# Allegro board KIT_PSE84_AI_PSOC_Edge_E84_AI_Board_Layout.brd (continued)
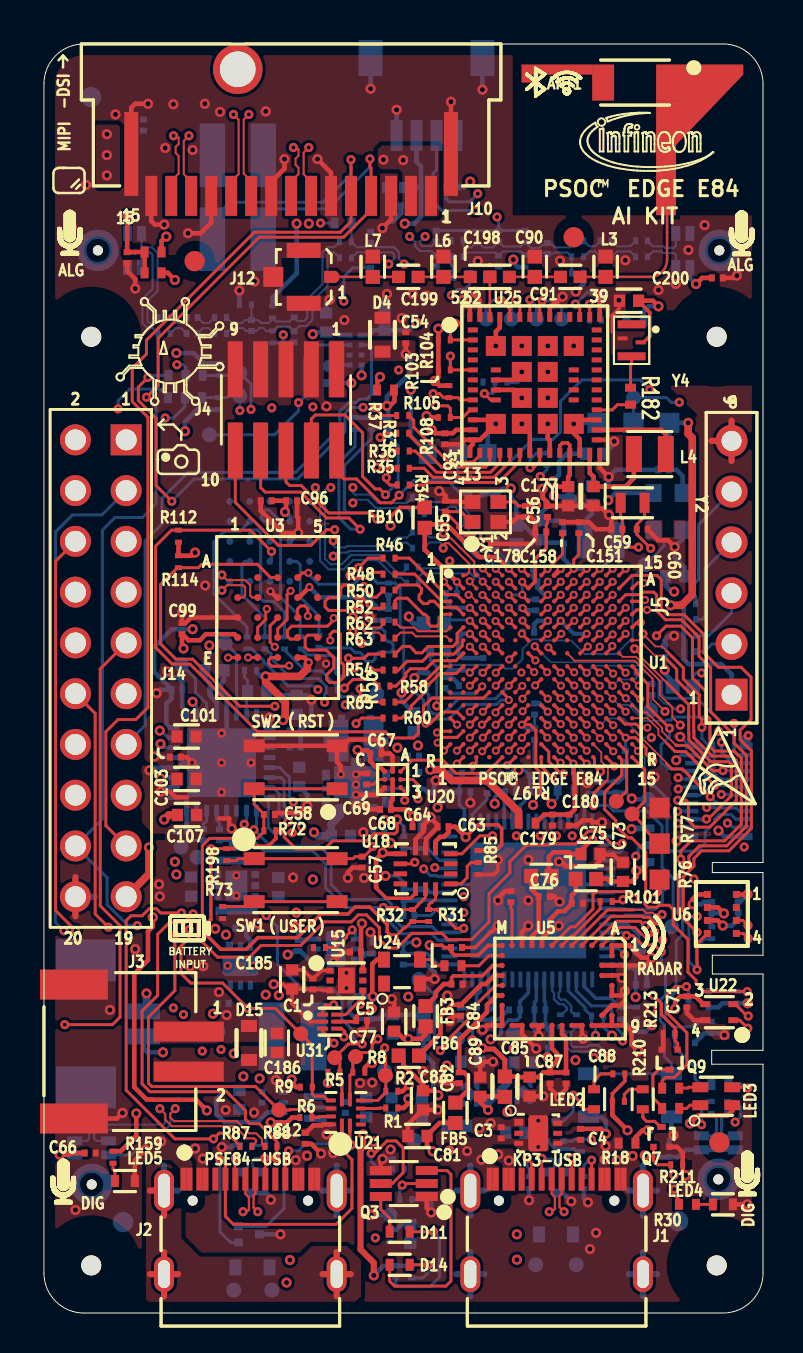
[diagram p0: board, top side]
## Copper pours and planes (outline as drawn; the poured copper is in the pictures) (continued)
(no net) on TOP: 0.56,61.5 0.98,62.52 2,62.94 33.99,62.94 35.01,62.52 35.44,61.5 35.44,50.17 30.45,50.17 30.45,47.07 30.22,47.2 30.13,47.45 30.16,47.61 30.27,47.75 30.31,47.82 30.28,47.89 30.22,48.01 30.2,48.17 30.2,48.21 30.18,48.29 30.1,48.33 29.93,48.33 29.9,48.32 29.86,48.27 29.9,48.22 29.98,48.16 30.02,48.07 30.02,47.67 29.97,47.56 29.86,47.51 29.83,47.51 29.74,47.46 29.74,47.36 29.76,47.32 29.77,47.27 29.77,46.27 29.73,46.18 29.65,46.12 29.61,46.11 29.61,45.63 29.65,45.62 29.73,45.57 29.77,45.47 29.77,44.46 30.9,44.46 31,44.43 31.09,44.38 31.32,44.15 31.35,44.11 31.38,44.06 31.39,44.03 31.53,44.03 31.64,43.99 31.68,43.88 31.68,42.08 31.64,41.97 31.53,41.92 30.73,41.92 30.65,41.94 30.59,42 30.58,42.03 30.08,42.03 30.06,42 30.01,41.94 29.93,41.92 29.8,41.92 29.8,41.77 29.78,41.67 29.72,41.58 29.32,41.19 29.28,41.15 29.26,41.13 29.26,41.09 29.27,41.07 29.27,41.04 29.27,40.04 29.25,39.97 29.2,39.91 29.18,39.9 29.18,39.53 29.2,39.52 29.24,39.46 29.26,39.39 29.26,39.04 29.23,38.95 29.15,38.9 29.12,38.88 29.12,38.77 28.92,38.96 28.82,38.96 28.76,38.9 28.76,38.62 29.28,38.1 29.54,38.1 29.59,38.16 29.59,38.3 29.37,38.51 29.42,38.52 29.46,38.55 29.51,38.61 29.57,38.65 29.62,38.73 29.59,38.81 29.51,38.89 29.5,38.89 29.4,38.94 29.37,39.04 29.37,39.39 29.39,39.48 29.46,39.54 29.48,39.58 29.51,39.61 29.7,39.8 29.72,39.87 29.7,39.94 29.67,39.98 29.66,40.04 29.66,41.04 29.71,41.15 29.82,41.19 30.32,41.19 30.43,41.15 30.47,41.04 30.47,40.53 30.97,40.53 30.97,41.37 31.52,41.37 31.52,40.53 32.11,40.53 32.11,43.65 32,43.75 31.93,43.86 31.9,43.99 31.9,44.32 31.85,44.42 31.84,44.54 31.96,44.83 32.25,44.95 32.39,44.92 32.52,44.84 32.64,44.83 32.68,44.95 32.27,45.36 32.19,45.39 32.12,45.35 31.98,45.23 31.8,45.18 31.53,45.3 31.42,45.57 31.46,45.75 31.58,45.88 31.63,45.96 31.6,46.04 31.23,46.41 35.44,46.41 35.44,34.09 33.02,34.09 33.02,32.41 35.12,32.41 35.26,32.27 35.37,32.24 35.44,32.33 35.44,23.1 32.9,23.1 32.9,21.47 33.1,21.47 33.1,19.61 33.03,19.59 32.98,19.54 32.85,19.33 32.61,19.25 32.55,19.26 32.47,19.23 32.43,19.16 32.43,17.8 32.72,17.51 32.83,17.49 32.9,17.57 32.9,18.66 33.09,18.66 33.1,18.66 32.9,18.66 32.9,17.1 32.9,17.17 32.86,17.21 32.9,17.27 32.9,17.39 32.87,17.45 32.8,17.48 32.76,17.49 32.72,17.51 32.44,17.79 32.42,17.8 32.4,17.8 32.31,17.82 32.28,17.91 32.33,18.05 32.43,18.17 32.43,18.44 32.43,18.59 32.41,18.61 32.35,18.64 32.3,18.68 32.19,18.71 32.13,18.61 32.13,17.54 32.22,17.45 32.25,17.43 32.28,17.42 32.34,17.39 32.36,17.32 32.36,17.31 32.64,17.03 32.64,15.83 32.95,15.83 33.08,15.69 33.36,15.69 33.45,15.66 33.51,15.58 33.52,15.54 33.73,15.54 33.73,15.83 33.73,15.83 33.73,14.45 34.16,14.45 34.34,14.28 34.34,13.74 34.26,13.67 33.55,13.67 33.07,14.15 32.87,14.15 32.66,14.35 31.75,14.35 31.75,14.02 32.59,14.02 32.59,13.62 32.87,13.62 32.87,12.07 35.44,12.07 35.44,2 35.01,0.98 33.99,0.56 2,0.56 0.98,0.98 0.56,2 0.56,43.74 0.71,43.74 0.71,43.57 0.56,43.57 0.56,41.27 0.71,41.27 0.71,41.03 0.56,41.03 0.56,38.73 0.71,38.73 0.71,38.49 0.56,38.49 0.56,38.03 0.58,38 0.68,37.96 0.71,37.88 0.71,31.07 3.02,31.07 3.02,29.57 3.08,29.48 3.2,29.5 3.7,30.01 3.73,30.09 3.68,30.17 3.3,30.54 3.19,31.07 5.26,31.07 5.26,44.37 0.56,44.37 ; 176 cut-outs
(no net) on BOTTOM: 0.56,61.5 0.98,62.52 2,62.94 33.99,62.94 35.01,62.52 35.44,61.5 35.44,23.1 32.9,23.1 32.9,21.62 32.9,23.1 35.44,23.1 35.44,24.14 35.37,24.23 35.26,24.21 35.16,24.11 33.07,24.11 33.07,24.33 31.32,24.33 31.32,24.8 31.28,24.84 31.22,24.85 31.19,24.8 31.19,21.26 31.23,21.21 31.29,21.2 31.32,21.25 31.32,21.87 31.38,21.97 31.49,21.95 31.52,21.91 31.58,21.91 31.67,21.97 31.66,22.07 31.63,22.13 31.62,22.2 31.62,22.3 31.51,22.43 31.47,22.61 31.47,22.68 31.49,22.75 31.49,22.84 31.41,22.89 31.34,22.92 31.32,22.99 31.32,23.22 31.37,23.22 31.37,23.14 32.28,23.14 32.28,20.06 32.33,19.98 32.43,19.97 32.46,19.99 32.46,18.37 32.9,18.37 32.9,18.04 32.16,18.04 32.16,17.1 32.9,17.1 32.9,17.07 32.23,17.07 32.23,15.11 32.22,15.11 32.23,15.15 32.23,16.01 32.17,16.09 32.06,16.07 31.76,15.77 31.73,15.7 31.77,15.62 31.88,15.45 31.9,15.24 31.91,15.17 31.97,15.13 32,15.11 31.88,15.11 31.88,14.86 31.47,14.86 31.44,14.9 31.4,14.92 31.35,14.93 31.29,14.93 31.29,14.81 31.3,14.77 31.3,14.74 31.3,14.64 31.31,14.6 31.34,14.56 31.34,14.25 31.7,14.25 31.7,12.37 32.87,12.37 32.87,12.07 35.44,12.07 35.44,11.74 34.16,11.74 34.16,11.46 33.55,11.46 33.55,9.91 34.16,9.91 34.16,7.82 35.44,7.82 35.44,7.57 35.46,7.54 35.46,5.23 35.44,5.21 35.44,2 35.01,0.98 33.99,0.56 2,0.56 0.98,0.98 0.56,2 ; 219 cut-outs
DISP_VDD_3V3 on TOP: 17.93,54.92 17.98,54.87 19.68,54.87 19.79,54.97 19.79,58.37 19.74,58.42 16.92,58.42 16.71,58.22 16.71,57.38 16.87,57.23 17.75,57.23 17.93,57.05
DISP_VDD_3V3 on BOTTOM: 16.74,57.99 18.26,57.99 18.34,57.91 18.34,57.33 17.86,56.85 17.55,56.85 17.32,56.62 17.32,56.01 17.45,55.88 17.45,55.12 17.4,55.07 16.76,55.07 16.64,55.2 16.64,57.89
KP_VBUS on TOP: 22.96,6.12 22.99,6.1 23.55,6.1 23.57,6.12 23.57,7.85 23.57,7.85 23.57,8.08 23.42,8.23 22.61,8.23 22.48,8.1 22.48,7.77 22.68,7.57 22.81,7.57 22.96,7.42
KP_VBUS on TOP: 28.32,6.1 28.35,6.12 28.35,7.29 28.32,7.32 28.32,8 28.42,8.1 28.91,8.1 28.96,8.15 28.96,9.98 28.91,10.03 26.44,10.03 26.24,9.83 25.71,9.83 25.5,9.83 25.43,9.75 25.43,9.37 25.48,9.32 26.19,9.32 26.39,9.53 27.94,9.53 28.09,9.37 28.09,8.89 27.97,8.76 27.48,8.76 27.36,8.89 26.65,8.89 26.49,8.74 25.73,8.74 25.73,8.74 25.5,8.74 25.45,8.69 25.45,8.36 25.53,8.28 26.26,8.28 26.52,8.03 27.51,8.03 27.74,7.8 27.74,6.12 27.76,6.1
KP_VBUS on BOTTOM: 23.32,4.62 25.25,4.62 25.38,4.5 25.38,2.16 25.2,1.98 23.37,1.98 23.24,2.11 23.24,4.55
KP_VBUS on L03_SIG1: 25.15,8.74 28.7,8.74 28.93,8.51 28.93,4.42 26.77,2.26 23.67,2.26 22.33,3.61 22.33,8.08 22.73,8.48 23.93,8.48 23.93,7.82 24.59,7.82 24.59,8.48 24.89,8.48 ; 2 cut-outs
Net_89 on TOP (solid shape): 35.01,61.96 31.64,58.45 31.64,54.93 30.64,54.93 30.64,60.68 31.74,60.68 31.74,62.47 35.01,62.47
Net_90 on TOP (solid shape): 27.45,61.97 24.41,61.97 24.41,61.57 23.9,61.57 23.9,62.47 27.45,62.47
P5LP_VDD on L05_PWR: 22.73,27.51 23.98,27.51 24.28,27.2 28.91,27.2 29.96,26.15 29.9,26.09 29.9,25.1 28.85,24.05 28.85,23.14 28.76,23.25 28.72,23.39 28.73,23.44 28.69,23.53 28.6,23.55 28.56,23.54 28.53,23.54 27.75,23.54 27.75,22.93 28.84,21.84 29.05,21.84 29.18,21.81 29.29,21.74 29.34,21.68 29.52,21.68 29.58,21.71 29.63,21.73 30.14,21.22 29.99,21.01 29.75,20.93 29.63,20.94 29.52,20.99 29.33,20.99 29.24,20.94 29.24,20.84 29.29,20.72 29.28,20.59 29.28,20.55 29.3,20.53 29.34,20.51 29.37,20.48 30.09,19.76 30.11,19.76 30.31,19.69 30.45,19.53 30.45,19.52 30.49,19.48 30.54,19.53 30.54,19.92 30.56,20.02 30.62,20.1 30.66,20.15 30.66,20.3 30.63,20.38 30.55,20.4 30.51,20.4 30.28,20.5 30.18,20.73 30.22,20.9 30.34,21.02 30.51,20.85 30.76,20.85 30.76,14.02 30.51,13.77 30.51,8.97 30.3,8.76 28.52,8.76 28.02,9.27 28.02,11.99 27.74,12.27 24.38,12.27 17.93,18.72 17.93,18.85 16.69,20.09 16.69,21.95 17.53,22.78 18.57,22.78 18.57,23.12 18.49,23.12 19.23,23.85 19.23,26.72 19.71,27.2 20.25,27.2 20.46,27 21.6,27 21.81,27.2 22.43,27.2 ; 20 cut-outs
PE84_VBUS on TOP: 12.23,7.68 12.42,7.49 12.42,6.12 12.45,6.1 13.01,6.1 13.03,6.12 13.03,7.49 13.41,7.88 13.41,8.03 13.28,8.15 12.64,8.15 12.23,7.75
PE84_VBUS on TOP: 7.62,6.12 7.62,7.65 7.29,7.98 7.29,8.38 7.42,8.51 8.15,8.51 8.23,8.43 8.23,6.12 8.21,6.1 7.65,6.1
PE84_VBUS on TOP: 8.21,17.96 8.41,17.76 9.63,17.76 9.7,17.68 10.19,17.68 10.24,17.63 11.48,17.63 11.66,17.45 12.73,17.45 12.93,17.65 12.98,17.65 13.16,17.83 13.16,18.34 13.28,18.47 13.64,18.47 13.67,18.44 13.67,18.01 13.82,17.86 13.82,17.53 14.15,17.2 14.5,17.2 14.56,17.15 14.56,16.89 14.5,16.84 14.07,16.84 13.82,16.59 13.01,16.59 12.78,16.82 11.35,16.82 11.07,16.54 9.23,16.54 9.03,16.74 7.44,16.74 7.04,17.15 7.04,17.91 7.09,17.96
PE84_VBUS on BOTTOM: 8.28,17.83 8.28,17.22 8,16.94 8,16.94 8,13.03 8.13,12.91 8.13,8.41 8.33,8.21 8.33,7.37 8.61,7.09 8.61,3.84 8.71,3.73 8.89,3.73 9.6,3.02 9.91,3.02 10.08,2.85 10.08,2.69 10.09,2.69 10.09,0.89 9.93,0.74 8.33,0.74 8.23,0.84 8.23,1.63 7.72,2.13 7.72,5.21 7.8,5.28 7.8,6.66 7.46,7 7.46,7.28 6.81,7.93 6.81,10.49 6.03,11.27 6.03,15.66 5.82,15.88 5.82,17.81 5.99,17.98 8.13,17.98
PE84_VBUS on BOTTOM: 15.27,17.96 15.83,17.96 16,18.14 16.92,18.14 17.1,17.96 17.1,17.58 18.52,16.15 18.59,16.08 18.59,15.6 18.49,15.5 18.01,15.5 17.88,15.62 17.88,15.83 17.58,16.13 17.3,16.13 16.03,17.4 15.32,17.4 15.24,17.48 15.24,17.93
PE84_VBUS on L03_SIG1: 8.08,8.61 8.43,8.26 8.43,7.57 8.61,7.39 11.81,7.39 12.12,7.7 12.22,7.7 12.52,8 12.62,8 12.8,8.18 13.36,8.18 13.54,8 13.54,7.85 13.84,7.54 14.25,7.54 14.43,7.37 14.43,2.74 13.9,2.21 7.57,2.21 7.16,2.62 7.16,8.46 7.32,8.61 ; 3 cut-outs
PE84_VBUS on L04_SIG2: 18.72,16.13 18.95,15.9 18.95,13.92 18.34,13.31 18.34,11.08 18.52,10.9 18.52,9.96 18.34,9.78 16.76,9.78 16.05,10.49 16.05,14.68 16.26,14.89 16.26,16 16.38,16.13
PE84_VBUS on L05_PWR: 15.19,8.38 15.52,8.05 17.58,8.05 17.83,8.31 17.83,10.47 17.98,10.62 19.03,10.62 19.2,10.44 19.2,5.64 18.18,4.61 13.14,4.61 12.85,4.9 12.85,8.18 13.06,8.38
PE84_VTARG on TOP: 14.3,48.67 18.54,48.67 18.59,48.62 18.59,47.73 18.49,47.63 16.28,47.63 15.93,47.27 15.93,46.69 15.16,46.69 15.16,45.8 14.27,45.8 14.22,45.85 14.22,48.59
PE84_VTARG on L05_PWR: 17.22,45.77 24.64,45.77 26.01,44.4 26.01,41.05 25.7,41.05 25.7,40.59 26.01,40.59 27.58,39.02 27.58,37.14 27.46,37.14 26.54,36.22 26.34,36.22 26.16,36.4 26.16,37.36 25.96,37.57 21.29,37.57 20.14,36.42 20.14,34.32 19.41,33.58 17.91,33.58 17.91,33.91 17.25,34.57 15.9,34.57 15.27,35.21 15.27,35.92 13.74,37.44 13.74,40.79 13,41.53 12.78,41.53 12.14,42.16 12.14,44.73 12.88,45.47 12.88,45.11 13.46,45.11 13.46,45.7 13.11,45.7 13.18,45.77 15.27,45.77 15.37,45.87 17.12,45.87 ; 3 cut-outs
N17713209 on BOTTOM: 12.55,10.16 12.5,10.21 12.5,11.28 12.78,11.56 12.78,15.98 12.83,16.03 14.07,16.03 14.3,15.8 14.3,15.19 14.3,15.19 14.3,11.99 14.2,11.89 13.74,11.89 13.16,11.3 13.01,11.3 12.88,11.18 12.88,10.52 12.98,10.42 14.23,10.42 14.25,10.39 14.25,10.21 14.2,10.16
N17865809 on BOTTOM: 13.64,26.09 13.72,26.01 14.28,26.01 14.33,26.06 14.33,27.43 14.45,27.56 15.06,27.56 15.17,27.66 15.17,27.86 15.22,27.92 15.22,30.05 15.17,30.1 13.69,30.1 13.64,30.05
N17879800 on BOTTOM: 10.64,20.42 10.69,20.37 10.69,19.89 8.46,19.89 8.36,19.99 8.36,20.91 8.46,21.01 8.87,21.01 8.89,20.98 8.89,20.58 9.04,20.42

## Text on the board
BOTTOM: BOTTOM
Ref Des/Assembly Bottom: ASSEMBLY DRAWING BOTTOM
Package Geometry/Pastemask Bottom: PASTE MASK BOTTOM
Ref Des/Silkscreen Bottom: A | 24 | R51 | C16 | R47 | R45 | C115 | R49 | C121 | C31 | R21 | R66 | R22 | FB4 | R24 | R15 | R16 | C27 | R29 | R28 | FB9 | C119 | C17 | C116 | C35 | R23 | R91 | MIC | ANG | SPEAKER | REV 3.0 | 600-60751-01 | SILKSCREEN BOTTOM
User.Comments: SOLDER MASK TOP | SOLDER MASK BOTTOM
TOP: TOP
Ref Des/Assembly Top: R209 | R156 | ASSEMBLY DRAWING TOP
Package Geometry/Pastemask Top: PASTE MASK TOP
Ref Des/Silkscreen Top: BATTERY | INPUT | TM | C66 | ALG | DIG | R159 | R73 | R87 | PSE84-USB | ( | R88 | R9 | C1 | USER | C58 | RST | R63 | R54 | R52 | R62 | R65 | R50 | R48 | R8 | C67 | FB10 | R46 | R58 | C81 | R31 | PSOC  EDGE E84 | KP3-USB | C4 | RADAR | 1 | -DSI | MIPI | C57 | FB3 | C93 | C84 | R85 | R210 | R213 | C71 | AI KIT | SILKSCREEN TOP
L02_GND: L02_GND1
L03_SIG1: L03_SIG1
L04_SIG2: L04_SIG2
L05_PWR: LO5_GND2
DIMENSION: TOTOAL 4 no's on Top layer | SHORT NET GND AND AGND | DETAIL3_TOP | 2.00X4
User.7: TM
User.8: 1. SPECIFICATIONS/TOLERANCES: | 2 | 3. DRILLING: | 4. SOLDER MASK: | 5. MARKING: | 6. ELECTRICAL TEST: | 7 | 8. IMPEDANCE: | 9. IF PANELIZATION SPECIFICATIONS ARE PROVIDED, THE PCBS SHALL BE DELIVERED IN | A. FABRICATE PER IPC-6012, CLASS 2, USING PROVIDED DATA FILES | B. ALL SPECIFICATIONS USED SHALL BE PER THEIR LATEST REVISIONS. | C. THE DIMENSIONS OF CIRCUIT FEATURES IN THE PROVIDED DATA MAY BE ADJUSTED | D. REMOVE ALL BURRS AND BREAK SHARP EDGES, .381 [.015] MAX RADIUS. | E. PARENTHETICAL INFORMATION IS FOR REFERENCE ONLY. | F. REPAIR OF PCB DEFECTS IS NOT PERMITTED. | DIELECTRIC MATERIAL: | A. DIELECTRIC MATERIAL SHALL BE PER IPC-4101/99, /124, /126 OR /129 | B. MINIMUM DIELECTRIC THICKNESS SHALL BE .051 [.002] FOR REFERENCED STACK-UP | C. SEE LAYER STACK-UP FOR REQUIRED COPPER WEIGHTS AND THE FINISHED PCB | D. FINISHED PCB THICKNESS SHALL BE MEASURED OVER LANDS AND/OR | A. VIA DIAMETERS (TOL. = +.051/- DRILL DIAMETER [+.0020/- DRILL DIAMETER]) | B. LAYER-TO-LAYER MISREGISTRATION SHALL BE .127 [.005] MAXIMUM. | A. APPLY LPI SOLDER MASK USING PROVIDED DATA. | B. SOLDER MASK SHALL BE PER IPC-SM-840, CLASS T, COLOR BLACK | C. THE DIMENSIONS OF SOLDER MASK-DEFINED PADS ON PLANES AND/OR WIDE | A. MARK PCB PER PROVIDED DATA USING SILKSCREEN OR AUTOMATED INJET | B. SUPPLIER ID AND TRACEABILITY INFORMATION SHALL BE APPLIED USING | C. INK SHALL NOT BE APPLIED TO ANY SOLDERABLE SURFACE. | A. DESIGN VERIFICATION SHALL BE DONE PRIOR TO PCB FABRICATION USING | B. ALL PCBS SHALL BE 100% ELECTRICALLY TESTED FOR OPENS AND SHORTS | C. APPLY TEST STAMP IN NON-LEGEND AREA ON REAR SIDE OF PCB; OK TO APPLY | FINAL FINISH: | A. FINAL FINISH SHALL BE ELECTROLESS NICKEL/IMMERSION GOLD (ENIG) PER IPC-4552. | A. IMPEDANCE TOLERANCE SHALL BE +/- 10%. | B. SEE LAYER STACK-UP FOR IMPEDANCE REQUIREMENTS. | PANEL FORM. HOWEVER, THESE SPECIFICATIONS MAY BE CHANGED AS REQUIRED BY THE | CONTRACT MANUFACTURER TO SUPPORT VOLUME ASSEMBLY REQUIREMENTS. | NOTE: DONT ADD MOUSE BITE IN AND AROUND J1 AND J2 USB HEADER,ADD IT IN BOARD EDGE | 3C.FOLLOW TYPE-7 VIA FILLING THROUGH OUT BOARD, FILL ALL THRU VIAS USING CONDUCTIVE  AND OVERPLATE WITH COPPER, .005 [.0002] | 600-60751-01_03.TGZ OR 600-60751-01_03.ZIP. | ONLY TO COMPENSATE FOR PROCESS TOLERANCES; ADDING, REMOVING OR RELOCATING | CIRCUIT FEATURES, INCLUDING NON-FUNCTIONAL PADS, IS NOT ALLOWED, AND THE | DESIGN OF ALL PLANE STRUCTURES MUST BE MAINTAINED TO ENSURE PROPER | ELECTRICAL PERFORMANCE. | (RoHS COMPLIANT EPOXY-GLASS,USE TU-872 SLK MATERIAL OR EQUIVALENT) | DIMENSIONS OF.076 [.003] OR GREATER; IPC-6012 REQUIREMENTS SHALL OTHERWISE | APPLY. SINGLE-PLY CONSTRUCTION IS ALLOWED. | THICKNESS. IF SPECIFIED, 1/3 OZ. STARTING FOIL MAY BE ACHIEVED BY 1/2 OZ. | FOIL REDUCTION. | CONDUCTORS NOT COVERED BY SOLDER MASK. | SHALL BE VERIFIED BEFORE PLATING; ALL OTHER HOLE DIAMETERS SHALL BE | VERIFIED AT FINAL INSPECTION. | CONDUCTORS SHALL NOT BE MODIFIED. | PROCESSING WITH PERMANENT, NON-CONDUCTIVE INK, COLOR WHITE. | PERMANENT, NON-CONDUCTIVE INK, COLOR WHITE.IN THE UNUSED REAR SIDE | SUPPLIED VALOR ODB++ DATABASE, OR GERBER DATA AND AN IPC-D-356 NETLIST. | USING PROVIDED DATA. | TO PANEL RAILS IF SPACE DOES NOT PERMIT. | MINIMUM THICKNESS. DIMPLE DEPTH IN BGA PADS SHALL BE .025 [.001] MAXIMUM. THE PRESENCE | OF WRAP PLATING SHALL BE VISUALLY EVIDENT IN ALL QUALITY CONFORMANCE MICROSECTIONS; NO | MINIMUM MEASUREMENT REQUIRED. | NOTES: UNLESS OTHERWISE SPECIFIED | THRU-VIA CONDUCTIVE FILLING NOTE (VIA-IN-PAD CONSTRUCTION)
User.9: L05 - GND2 | L06 - BOTTOM | 1.26 | 1.85 | -- | 50E | --- | 5.9 | 05 | ----- | 02 | 90E | ---/--- | 4.5/5.3 | 4.5/4.5 | DIFF | IMP | OHMS | 100E | ---- | WIDTH/SPACE | 4.0/6.0 | 4.0/7.1 | TRACE | (3.558) | (5.00) | REF | LAYER
User.11: 2
User.12: TM
User.13: DIMENSIONS IN MM [INCH]
User.22: PROJECT: | DRAWN BY: | LAYER: | DWG NO: | REV: | DATE: | TM | Am Campeon 1-15 | Infineon Technologies AG | 85579 NEUBIBERG - GERMANY | PSOC  EDGE E84 AI BOARD | 620-60751-01 | PRAO | 03 | 05/19/25
User.23: FIGURE | FINISHED_SIZE | 7.87 | 8.0 | 10.0 | 39.37 | 41.34 | 70.08 | 25.59 | 31.5 | 118.11 | 55.12x23.62 | 66.93x23.62 | DRILLED_SIZE | - | DRILL CHART: TOP to BOTTOM | ALL UNITS ARE IN MILS | FINISHED_TOL | +3.0/-3.0 | +2.0/-2.0 | DRILLED_TOL | PLATED | NON-PLATED | QTY | 5 | 430 | 318 | 6 | 20 | 1 | 4 | 800 | TOTAL HOLES:
User.27: TOTAL 1no's SHORT NET ON BOARD | SHORT NET GND AND AGND
User.42: DETAIL3_BOTTOM
